# Allegro board pc065a_toplevel_58.brd (continued)
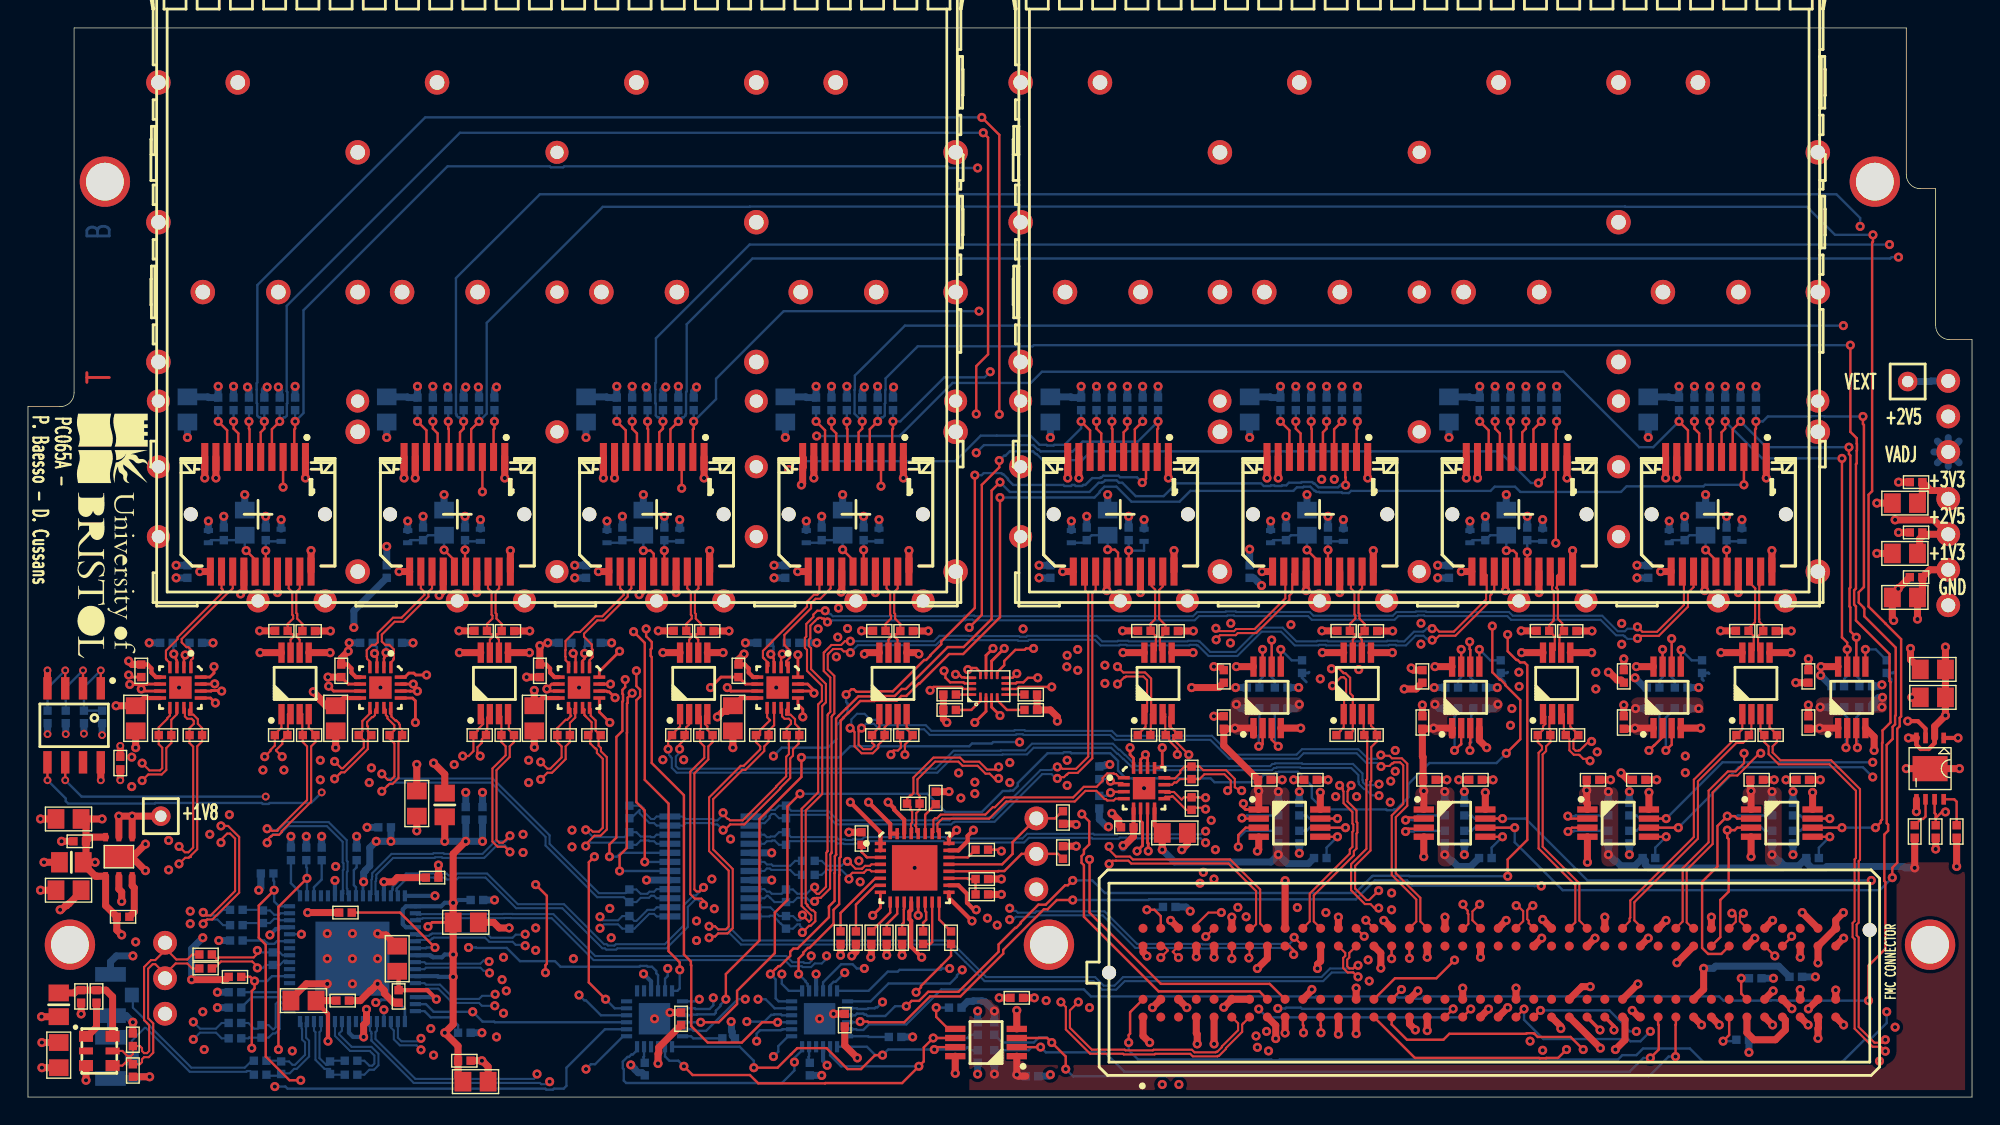
[diagram p0: board, top side]
## Nets (continued)
FMC_LA_N<19>: J10.H23 R197.2(B<0>) U9.2
FMC_LA_N<20>: J10.G22
FMC_LA_N<21>: J10.H26 R195.2(B<0>) U8.2
FMC_LA_N<22>: J10.G25
FMC_LA_N<23>: J10.D24
FMC_LA_N<24>: J10.H29 R193.2(B<0>) U7.2
FMC_LA_N<25>: J10.G28
FMC_LA_N<26>: J10.D27
FMC_LA_N<27>: IC21.8 J10.C27
FMC_LA_N<28>: IC5.9 J10.H32 R65.1
FMC_LA_N<29>: J10.G31
FMC_LA_N<30>: IC6.9 J10.H35 R69.1
FMC_LA_N<31>: IC16.2 J10.G34 R152.1
FMC_LA_N<32>: J10.H38
FMC_LA_N<33>: IC20.2 J10.G37 R172.1
FMC_LA_P<1>: IC21.7 J10.D8
FMC_LA_P<2>: J10.H7 R1.1 U3.1
FMC_LA_P<3>: IC4.10 J10.G9 R61.2(B<0>)
FMC_LA_P<4>: J10.H10 R187.1 U4.1
FMC_LA_P<5>: J10.D11
FMC_LA_P<6>: IC12.3 J10.C10 R136.1
FMC_LA_P<7>: J10.H13 R189.1 U5.1
FMC_LA_P<8>: IC7.10 J10.G12 R73.2(B<0>)
FMC_LA_P<9>: IC18.3 J10.D14 R161.1
FMC_LA_P<10>: IC15.3 J10.C14 R146.1
FMC_LA_P<11>: J10.H16 R191.1 U6.1
FMC_LA_P<12>: IC14.3 J10.G15 R141.1
FMC_LA_P<13>: J10.D17
FMC_LA_P<14>: IC17.3 J10.C18 R156.1
FMC_LA_P<15>: J10.H19 R199.1 U10.1
FMC_LA_P<16>: J10.G18
FMC_LA_P<17>: J10.D20
FMC_LA_P<18>: IC19.3 J10.C22 R166.1
FMC_LA_P<19>: J10.H22 R197.1 U9.1
FMC_LA_P<20>: J10.G21
FMC_LA_P<21>: J10.H25 R195.1 U8.1
FMC_LA_P<22>: J10.G24
FMC_LA_P<23>: J10.D23
FMC_LA_P<24>: J10.H28 R193.1 U7.1
FMC_LA_P<25>: J10.G27
FMC_LA_P<26>: J10.D26
FMC_LA_P<27>: IC21.6 J10.C26
FMC_LA_P<28>: IC5.10 J10.H31 R65.2(B<0>)
FMC_LA_P<29>: J10.G30
FMC_LA_P<30>: IC6.10 J10.H34 R69.2(B<0>)
FMC_LA_P<31>: IC16.3 J10.G33 R151.1
FMC_LA_P<32>: J10.H37
FMC_LA_P<33>: IC20.3 J10.G36 R171.1
GBTCLK0_M2C_N: J10.D5
GBTCLK0_M2C_P: J10.D4
I2C_SCL: IC1.6 IC3.16 IC9.20 IC10.19 IC11.7 IC23.19 J1.2 R7.2(B<0>) R94.1 R135.1
I2C_SCL_CVCC: IC11.2 J10.C30 R132.1
I2C_SDA: IC1.5 IC3.18 IC9.21 IC10.20(SDA) IC11.6 IC23.20(SDA) J1.3(A<2>) R8.2(B<0>) R93.1 R134.1
I2C_SDA_CVCC: IC11.3 J10.C31 R131.1
MOD_ABS: J7.6 R26.1
MOD_ABS_1: J12.6 R38.1
MOD_ABS_2: J16.6 R46.1
MOD_ABS_3: J20.6 R54.1
MOD_ABS_4: J24.6 R103.1
MOD_ABS_5: J28.6 R111.1
MOD_ABS_6: J32.6 R119.1
MOD_ABS_7: J36.6 R127.1
MUX_OUT_N: C55.1 IC8.19
MUX_OUT_P: C56.1 IC8.18
MUX_SEL<0>: IC8.6 IC21.15(1B<0>)
MUX_SEL<1>: IC8.7 IC21.14
MUX_SEL<2>: IC8.8 IC21.13
OSC_N: C30.2(B<0>) J5.3(A<2>) QZ1.5 R4.2(B<0>)
OSC_P: C29.2(B<0>) J5.2 QZ1.4(OUTP) R5.2(B<0>)
POWER_GOOD: J10.D1 R182.2(B<0>) U11.7
PRSNT_L: J10.H2 R30.2(B<0>)
RD_BUF_N<0>: IC4.4 J7.12
RD_BUF_N<1>: IC5.4 J12.12
RD_BUF_N<2>: IC6.4 J16.12
RD_BUF_N<3>: IC7.4 J20.12
RD_BUF_P<0>: IC4.1 J7.13
RD_BUF_P<1>: IC5.1 J12.13
RD_BUF_P<2>: IC6.1 J16.13
RD_BUF_P<3>: IC7.1 J20.13
RD_MUX_N<0>: IC4.11 IC8.2 R60.1 R74.2(B<0>)
RD_MUX_N<1>: IC5.11 IC8.4 R64.1 R75.2(B<0>)
RD_MUX_N<2>: IC6.11 IC8.10 R68.1 R76.2(B<0>)
RD_MUX_N<3>: IC7.11 IC8.12 R72.1 R77.2(B<0>)
RD_MUX_N<4>: IC8.13 J36.12 R78.2(B<0>)
RD_MUX_N<5>: IC8.15 J32.12 R79.2(B<0>)
RD_MUX_N<6>: IC8.21 J28.12 R80.2(B<0>)
RD_MUX_N<7>: IC8.23 J24.12 R81.2(B<0>)
RD_MUX_P<0>: IC4.12 IC8.1(PCLK<0>) R60.2(B<0>) R74.1
RD_MUX_P<1>: IC5.12 IC8.3 R64.2(B<0>) R75.1
RD_MUX_P<2>: IC6.12 IC8.9 R68.2(B<0>) R76.1
RD_MUX_P<3>: IC7.12 IC8.11 R72.2(B<0>) R77.1
RD_MUX_P<4>: IC8.14 J36.13 R78.1
RD_MUX_P<5>: IC8.16 J32.13 R79.1
RD_MUX_P<6>: IC8.22 J28.13 R80.1
RD_MUX_P<7>: IC8.24 J24.13 R81.1
REC_CLK_FPGA_N: IC13.11 J10.H5 R97.1
REC_CLK_FPGA_P: IC13.12 J10.H4 R97.2(B<0>)
RST_I2C_B: IC10.24 IC21.12 IC23.24
RST_I2C_B_CVCC: IC21.9 J10.D9
SFP_FAULT<0>: IC10.10 J7.2 R24.2(B<0>)
SFP_FAULT<1>: IC10.11 J12.2 R36.2(B<0>)
SFP_FAULT<2>: IC10.12 J16.2 R44.2(B<0>)
SFP_FAULT<3>: IC10.13 J20.2 R52.2(B<0>)
SFP_FAULT<4>: IC10.14 J36.2 R125.2(B<0>)
SFP_FAULT<5>: IC10.15 J32.2 R117.2(B<0>)
SFP_FAULT<6>: IC10.16 J28.2 R109.2(B<0>)
SFP_FAULT<7>: IC10.17 J24.2 R101.2(B<0>)
SFP_I2C_SCL<0>: IC12.7 J7.5 R27.1 R140.1
SFP_I2C_SCL<1>: IC14.7 J12.5 R39.1 R145.1
SFP_I2C_SCL<2>: IC15.7 J16.5 R47.1 R150.1
SFP_I2C_SCL<3>: IC16.7 J20.5 R55.1 R155.1
SFP_I2C_SCL<4>: IC17.7 J36.5 R128.1 R160.1
SFP_I2C_SCL<5>: IC18.7 J32.5 R120.1 R165.1
SFP_I2C_SCL<6>: IC19.7 J28.5 R112.1 R170.1
SFP_I2C_SCL<7>: IC20.7 J24.5 R104.1 R175.1
SFP_I2C_SDA<0>: IC12.6 J7.4 R28.1 R139.1
SFP_I2C_SDA<1>: IC14.6 J12.4 R40.1 R144.1
SFP_I2C_SDA<2>: IC15.6 J16.4 R48.1 R149.1
SFP_I2C_SDA<3>: IC16.6 J20.4 R56.1 R154.1
SFP_I2C_SDA<4>: IC17.6 J36.4 R129.1 R159.1
SFP_I2C_SDA<5>: IC18.6 J32.4 R121.1 R164.1
SFP_I2C_SDA<6>: IC19.6 J28.4 R113.1 R169.1
SFP_I2C_SDA<7>: IC20.6 J24.4 R105.1 R174.1
SFP_LOS<0>: IC23.10 J7.8 R25.2(B<0>)
SFP_LOS<1>: IC23.11 J12.8 R37.2(B<0>)
SFP_LOS<2>: IC23.12 J16.8 R45.2(B<0>)
SFP_LOS<3>: IC23.13 J20.8 R53.2(B<0>)
SFP_LOS<4>: IC23.14 J36.8 R126.2(B<0>)
SFP_LOS<5>: IC23.15 J32.8 R118.2(B<0>)
SFP_LOS<6>: IC23.16 J28.8 R110.2(B<0>)
SFP_LOS<7>: IC23.17 J24.8 R102.2(B<0>)
SFP_TD_N: J7.19 R23.1 U3.6
SFP_TD_N_1: J12.19 R35.1 U4.6
SFP_TD_N_2: J16.19 R43.1 U5.6
SFP_TD_N_3: J20.19 R51.1 U6.6
SFP_TD_N_4: J24.19 R100.1 U7.6
SFP_TD_N_5: J28.19 R108.1 U8.6
SFP_TD_N_6: J32.19 R116.1 U9.6
SFP_TD_N_7: J36.19 R124.1 U10.6
SFP_TD_P: J7.18 R22.1 U3.7(Q_P)
SFP_TD_P_1: J12.18 R34.1 U4.7(Q_P)
SFP_TD_P_2: J16.18 R42.1 U5.7(Q_P)
SFP_TD_P_3: J20.18 R50.1 U6.7(Q_P)
SFP_TD_P_4: J24.18 R99.1 U7.7(Q_P)
SFP_TD_P_5: J28.18 R107.1 U8.7(Q_P)
SFP_TD_P_6: J32.18 R115.1 U9.7(Q_P)
SFP_TD_P_7: J36.18 R123.1 U10.7(Q_P)
SFP_TX_DISABLE<0>: IC10.1 J7.3
SFP_TX_DISABLE<1>: IC10.2 J12.3
SFP_TX_DISABLE<2>: IC10.3 J16.3
SFP_TX_DISABLE<3>: IC10.4 J20.3
SFP_TX_DISABLE<4>: IC10.5 J36.3
SFP_TX_DISABLE<5>: IC10.6 J32.3
SFP_TX_DISABLE<6>: IC10.7 J28.3
SFP_TX_DISABLE<7>: IC10.8 J24.3
TCK: J10.D29
TDI: J10.D30
TDO: J10.D31
TMS: J10.D33
TRST_L: J10.D34
UNNAMED_1_CAPCERSMDCL2_I31_B: C34.2(B<0>) C35.2(B<0>) J7.15 L5.1
UNNAMED_1_CAPCERSMDCL2_I31_B_1: C43.2(B<0>) C44.2(B<0>) J12.15 L7.1
UNNAMED_1_CAPCERSMDCL2_I31_B_2: C48.2(B<0>) C49.2(B<0>) J16.15 L9.1
UNNAMED_1_CAPCERSMDCL2_I31_B_3: C53.2(B<0>) C54.2(B<0>) J20.15 L11.1
UNNAMED_1_CAPCERSMDCL2_I31_B_4: C62.2(B<0>) C63.2(B<0>) J24.15 L13.1
UNNAMED_1_CAPCERSMDCL2_I31_B_5: C67.2(B<0>) C68.2(B<0>) J28.15 L15.1
UNNAMED_1_CAPCERSMDCL2_I31_B_6: C72.2(B<0>) C73.2(B<0>) J32.15 L17.1
UNNAMED_1_CAPCERSMDCL2_I31_B_7: C77.2(B<0>) C78.2(B<0>) J36.15 L19.1
UNNAMED_1_CAPCERSMDCL2_I35_B: C33.2(B<0>) J7.16 L4.2(B<0>)
UNNAMED_1_CAPCERSMDCL2_I35_B_1: C42.2(B<0>) J12.16 L6.2(B<0>)
UNNAMED_1_CAPCERSMDCL2_I35_B_2: C47.2(B<0>) J16.16 L8.2(B<0>)
UNNAMED_1_CAPCERSMDCL2_I35_B_3: C52.2(B<0>) J20.16 L10.2(B<0>)
UNNAMED_1_CAPCERSMDCL2_I35_B_4: C61.2(B<0>) J24.16 L12.2(B<0>)
UNNAMED_1_CAPCERSMDCL2_I35_B_5: C66.2(B<0>) J28.16 L14.2(B<0>)
UNNAMED_1_CAPCERSMDCL2_I35_B_6: C71.2(B<0>) J32.16 L16.2(B<0>)
UNNAMED_1_CAPCERSMDCL2_I35_B_7: C76.2(B<0>) J36.16 L18.2(B<0>)
UNNAMED_1_CON20PSFP_I19_RATES_1: J12.7 R41.1
UNNAMED_1_CON20PSFP_I19_RATES_2: J16.7 R49.1
UNNAMED_1_CON20PSFP_I19_RATES_3: J20.7 R57.1
UNNAMED_1_CON20PSFP_I19_RATES_4: J24.7 R106.1
UNNAMED_1_CON20PSFP_I19_RATES_5: J28.7 R114.1
UNNAMED_1_CON20PSFP_I19_RATES_6: J32.7 R122.1
UNNAMED_1_CON20PSFP_I19_RATES_7: J36.7 R130.1
UNNAMED_1_CON20PSFP_I19_RATESEL: J7.7 R29.1
UNNAMED_1_RSMD0402_I7_B: IC11.5 R133.2(B<0>)
UNNAMED_1_RSMD0402_I7_B_1: IC12.5 R138.2(B<0>)
UNNAMED_1_RSMD0402_I7_B_2: IC14.5 R143.2(B<0>)
UNNAMED_1_RSMD0402_I7_B_3: IC15.5 R148.2(B<0>)
UNNAMED_1_RSMD0402_I7_B_4: IC16.5 R153.2(B<0>)
UNNAMED_1_RSMD0402_I7_B_5: IC17.5 R158.2(B<0>)
UNNAMED_1_RSMD0402_I7_B_6: IC18.5 R163.2(B<0>)
UNNAMED_1_RSMD0402_I7_B_7: IC19.5 R168.2(B<0>)
UNNAMED_1_RSMD0402_I7_B_8: IC20.5 R173.2(B<0>)
UNNAMED_1_RSMD0402_I10_B: IC4.3 R59.2(B<0>)
UNNAMED_1_RSMD0402_I10_B_1: IC5.3 R63.2(B<0>)
UNNAMED_1_RSMD0402_I10_B_2: IC6.3 R67.2(B<0>)
UNNAMED_1_RSMD0402_I10_B_3: IC7.3 R71.2(B<0>)
UNNAMED_1_RSMD0402_I10_B_4: IC13.3 R96.2(B<0>)
UNNAMED_1_RSMD0402_I11_B: IC4.2(VT) R58.2(B<0>)
UNNAMED_1_RSMD0402_I11_B_1: IC5.2(VT) R62.2(B<0>)
UNNAMED_1_RSMD0402_I11_B_2: IC6.2(VT) R66.2(B<0>)
UNNAMED_1_RSMD0402_I11_B_3: IC7.2(VT) R70.2(B<0>)
UNNAMED_1_RSMD0402_I11_B_4: IC13.2(VT) R95.2(B<0>)
UNNAMED_4_FMCLPCGENERIC_I1_GA0: J10.C34 R184.2(B<0>)
UNNAMED_4_FMCLPCGENERIC_I1_GA1: J10.D35 R185.2(B<0>)
UNNAMED_5_24AA025E48_I9_A0: IC1.1 R201.1 R202.1
UNNAMED_5_24AA025E48_I9_A1: IC1.2 R204.1
UNNAMED_5_24AA025E48_I9_A2: IC1.3 R203.1
UNNAMED_7_CAPCERSMDCL2_I28_B: C101.2(B<0>) U11.8
UNNAMED_7_CON3P_I14_A: J39.1 TP10.1(A<0>)
UNNAMED_7_MP20075REG_I17_REF: R183.2(B<0>) U11.6
UNNAMED_8_DSC1123CI5_I74_EN: QZ1.1 R3.2(B<0>)
UNNAMED_8_LP38692SD_I104_EN: R2.2(B<0>) U2.3
UNNAMED_8_RSMD0402_I25_B: IC3.3 R20.2(B<0>)
UNNAMED_8_RSMD0402_I26_B: IC3.4 R21.2(B<0>)
UNNAMED_8_RSMD0402_I28_B: IC3.48 R18.2(B<0>)
UNNAMED_8_RSMD0402_I29_B: IC3.25 R19.2(B<0>)
UNNAMED_8_RSMD0402_I30_B: IC3.39 R6.2(B<0>)
UNNAMED_8_RSMD0402_I66_B: IC3.11 R10.2(B<0>)
UNNAMED_8_RSMD0402_I67_B: IC3.17 R11.2(B<0>)
UNNAMED_8_RSMD0402_I68_B: IC3.19 R12.2(B<0>)
UNNAMED_10_ADN2814_I34_CF1: C58.1 IC9.15
UNNAMED_10_ADN2814_I34_CF2: C58.2(B<0>) IC9.14
UNNAMED_10_ADN2814_I34_LOL: IC9.16 R91.1
UNNAMED_10_ADN2814_I34_LOS: IC9.22 R89.2(B<0>)
UNNAMED_10_ADN2814_I34_REFCLKN: IC9.11 R85.2(B<0>)
UNNAMED_10_ADN2814_I34_REFCLKP: IC9.10 R84.2(B<0>)
UNNAMED_10_ADN2814_I34_SADDRS: IC9.19 R82.2(B<0>) R83.2(B<0>)
UNNAMED_10_ADN2814_I34_SLICEN: IC9.7 R87.2(B<0>)
UNNAMED_10_ADN2814_I34_SLICEP: IC9.6 R86.2(B<0>)
UNNAMED_10_ADN2814_I34_SQUELCH: IC9.27 R90.1
UNNAMED_10_ADN2814_I34_THRADJ: IC9.9 R88.2(B<0>)
UNNAMED_10_ADN2814_I34_VREF: C57.1 IC9.3(VREF)
UNNAMED_13_74AVC4T245BRIS_I75_1: IC21.4 R176.1
UNNAMED_13_74AVC4T245BRIS_I75_2: IC21.1 R177.2(B<0>)
UNNAMED_13_74AVC4T245BRIS_I76_1: IC21.16 R179.2(B<0>)
UNNAMED_13_74AVC4T245BRIS_I76_2: IC21.5 R178.1
UNNAMED_13_RSMD0402_I6_B: IC10.18 R31.2(B<0>)
UNNAMED_13_RSMD0402_I8_B: IC10.23 R32.2(B<0>)
UNNAMED_13_RSMD0402_I45_B: IC23.18 R180.2(B<0>)
UNNAMED_13_RSMD0402_I46_B: IC23.23 R181.2(B<0>)
VADJ: J10.G39 J10.H40 J39.3(A<2>)
VREF_A_M2C: J10.H1
XA: C29.1 IC3.8 R17.1
XB: C30.1 IC3.9(XB) R17.2(B<0>)

Pads without a net: IC1 7; IC3 5 7 10 20 21 55 56; IC10 22; IC23 6 7 8 22; NOREF#2 1; NOREF#3 1; NOREF#4 1; NOREF#5 1; NOREF#6 1; QZ1 2; SFP1 NC; SFP2 NC

## Via types
v1: diameter 0.56, hole 0.3, TOP to BOTTOM, 15 vias
v2: diameter 0.65, hole 0.3, TOP to BOTTOM, 1068 vias

## Routing (per net, layer and track width the routed paths; a pad name or vN(x,y) marks a point on that pad's centre or on a via; arc(x,y) is an arc through that point)
GND: length 1985.7
  TOP w0.2: IC5.14 27.33,29.05 27.34,29.04 v2(27.84,29.04) ; IC5.15 v2(27.55,29.55) ; IC4.15 13.33,29.55 ; IC6.6 37.45,29.55 v2(37.1,29.2) 37.25,29.05 IC6.7 ; IC4.6 8.52,29.55 8.49,29.52 v2(7.28,29.52) ; IC4.7 8.25,29.05 v2(8.1,29.2) ; v2(60.4,13) 60.95,13.55 IC9.8 ; v2(69.8,32.1) 68.9,31.2 IC21.10 ; IC4.14 13.09,29.05 13.13,29.09 13.57,29.09 13.61,29.05 v2(13.85,29.05) ; IC21.11 68.5,31.6 v2(69,32.1) ; C104.1 22.9,29.55 IC5.6 ; v2(80.1,17.6) 80.1,18.15 80.05,18.2 IC13.7 ; IC6.15 v2(41.65,29.55) ; IC13.15 79.55,24.15 v2(79.9,24.5) 80.05,24.35 IC13.14 ; v2(50,29.3) 50.25,29.05 IC7.7 ; v2(48.8,29.3) 49.55,30.05 C108.1 51.3,29.55 IC7.6 ; IC7.14 56.05,29.05 v2(56.2,28.9) 56.2,29.1 55.75,29.55 IC7.15 ; v2(21.5,29.4) 21.85,29.05 IC5.7 ; IC13.6 79.55,19.77 79.69,19.63 79.69,17.99 v2(79.3,17.6) ; IC9.13 v2(63.65,13) ; v2(41.98,28.58) 41.55,29 41.42,29 41.37,29.05 IC6.14 ; C102.1 7.35,30.05 v2(7.2,30.2)
  TOP w0.3: IC9.23 66.53,17.65 67.19,18.31 67.19,18.69 v2(67.6,19.1) ; IC9.17 65.85,14.25 v2(67.5,12.6) ; v2(134.4,26.9) 135.13,26.9 135.68,26.35 U11.3 ; IC9.30 62.65,19.85 61.93,20.57 61.93,20.67 v2(61.5,21.1)
  TOP w0.5: J36.17 v2(79.54,36.1) ; C85.1 v2(113.15,22.7) ; 83.53,5.73 83.53,4.57 83.6,4.5 v2(83.6,3.8) ; J10.C36 v2(124.74,5.16) ; J12.17 v2(32.09,36.1) ; R85.1 v2(62.5,10.15) ; C86.1 v2(116.45,22.7) ; C94.1 v2(114.1,31.35) ; J32.11 v2(88.24,37.6) ; J16.20 v2(48.74,39.1) ; 81,7 v2(80.4,6.4) ; J10.G29 v2(115.85,11.37) ; C39.1 v2(132.2,38.9) ; J16.10 v2(41.14,44.3) ; J20.14 58.19,36.18 v2(58.14,36.13) ; v2(85.5,6.42) 86.08,7 J10.D7 ; R87.1 59.2,10.4 v2(58.9,10.1) ; 96.23,10.8 96.73,10.31 v2(96.73,9.23) ; J10.G40 v2(129.82,11.37) ; J20.10 55.39,45.75 55.44,45.7 55.44,45.1 55.39,45.05 55.39,43.89 v2(55.3,43.8) ; J12.9 v2(27.69,44.3) ; C92.1 99.05,30.55 v2(98.9,30.7) ; J10.C38 v2(127.28,5.16) ; 110.2,7 111.11,7.9 v2(111.7,7.9) ; J16.9 v2(41.94,44.3) ; v2(60.26,10.01) 60.3,10.05 R88.1 ; v2(89.22,4.18) 89.22,5.12 88.61,5.73 ; C107.1 36.2,25.03 v2(36.21,25.03) ; J36.11 v2(73.99,37.6) ; J16.1 v2(48.34,44.3) ; J20.17 v2(60.59,36.1) ; J16.14 43.94,36.19 v2(43.7,35.95) ; 100.05,10.8 v2(100.05,10.01) ; C2.1 v2(132.2,42.5) ; v2(134.6,32.1) 134.6,31.3 C100.1 ; J24.9 v2(117.89,44.3) ; C95.1 v2(127.3,28.05) ; v2(91.8,7.7) 91.8,7.64 J10.D10 ; v2(65.7,26.8) 65.45,27.05 R177.1 R179.1 ; C104.1 v2(21.45,30.05) ; 13.33,29.55 v2(13.35,29.57) ; C16.1 25.6,11.6 25.1,11.6 v2(25,11.7) ; v2(82.5,17.7) 82.9,18.1 C111.1 ; 112.75,12.08 v2(112.75,12.88) ; v2(87.9,9.2) 88.61,9.92 88.61,10.8 ; U2.2 6.5,14.88 6.7,14.68 v2(6.7,14) ; C90.1 85.25,30.8 v2(84.79,30.8) ; IC15.4 v2(111.5,16.8) ; v2(21.4,8.1) 19.9,8.1 18.8,7 C19.1 ; v2(29.4,35.9) 29.69,36.19 J12.14 ; C20.1 23.76,6.9 24.46,7.6 24.5,7.6 v2(25,8.1) 25.48,7.62 25.48,7.42 26.15,6.75 C18.1 ; J36.14 v2(77.14,36.24) ; C105.1 v2(22,25) ; J32.1 v2(95.79,44.3) ; J12.10 v2(26.89,44.3) ; C80.1 v2(71.95,7.1) ; C99.1 v2(134.7,28.6) ; J10.H15 v2(96.94,12.64) ; J12.1 v2(34.09,44.3) ; C106.1 v2(35.65,30.05) ; U5.5 v2(49.7,31.8) ; J10.G38 v2(126.72,10.01) ; U7.5 v2(126.05,31.8) ; 98.78,7 v2(99.38,7.6) ; v2(8.4,16.2) 7.5,17.1 7.5,17.2 ; J24.14 v2(119.89,36.24) ; C81.1 v2(89.68,22.7) ; J16.17 v2(46.34,36.1) ; 120.36,12.08 v2(120.36,12.88) ; v2(132,24.8) 132,25.77 IC20.4 ; J20.9 v2(56.19,44.3) ; C7.1 v2(29.35,16.6) ; J24.11 v2(116.74,37.6) ; v2(134.3,23.5) U11.9 v2(138.1,23.5) ; IC11.4 v2(70.7,6.2) ; J24.17 v2(122.29,36.1) ; C4.1 3.8,14.7 2.93,13.83 2.91,13.83 2.77,13.69 2.69,13.69 2.4,13.4 v2(2.3,13.4) ; C38.1 v2(133.75,40.4) ; J16.11 v2(40.79,37.6) ; J24.10 v2(117.09,44.3) ; C112.2 v1(6.6,25.13) ; J10.G32 v2(117.9,9.61) ; 127.98,12.08 v2(126.86,13.2) ; C37.1 133.3,34.2 v2(133.4,34.1) ; C89.1 v2(84.79,27.25) ; C57.2 v2(58.7,18.95) ; J24.20 v2(124.69,39.1) ; J7.1 v2(19.84,44.3) ; C87.1 v2(124.85,22.7) ; 7.5,17.2 v2(8.4,18.1) ; 7.5,17.2 U2.7 ; C10.1 v2(3.8,5.95) ; C98.1 v2(45.9,6.05) ; 105.12,12.08 v2(105.69,12.64) ; 100.05,5.73 v2(100.05,4.76) ; J36.9 v2(75.14,44.3) ; J36.1 v2(81.54,44.3) ; 98.78,5.73 98.78,5.23 v2(99.2,4.8) ; 79.72,10.8 79.72,10.38 80,10.1 80,10.09 v2(80.01,10.09) ; J10.C24 109.6,5.06 v2(109.6,4.9) ; J10.H12 v2(93.69,12.88) ; v2(34.4,12.1) 33.7,12.1 33.3,12.5 C12.1 ; IC12.4 88,17.7 v2(87.9,17.6) ; R5.1 v2(8.7,1.45) ; J7.14 15.44,36.24 v2(15.2,36) ; U6.5 63.6,31.8 v2(63.7,31.7) ; 103.86,5.73 v2(104.43,6.3) ; 110.28,31.8 v2(111.8,31.8) ; IC4.17 v2(10.8,29.3) ; 94.97,5.73 v2(94.97,4.54) ; J32.20 v2(96.19,39.1) ; IC14.4 v2(99.8,17.2) ; C84.1 v2(104.75,22.7) ; J28.9 v2(103.64,44.3) ; C8.1 v2(0.9,19.9) ; C83.1 v2(101.45,22.7) ; IC7.17 v2(53.5,29.3) ; v2(92.2,9.2) 92.2,9.5 92.42,9.72 92.42,10.8 ; J32.14 v2(91.39,36.24) ; QZ1.3 v2(4.15,1.2) ; 114.02,7 v2(115.11,8.09) ; J10.D13 v2(94.97,7.79) ; 103.86,10.8 v2(103.86,10.01) ; J7.9 v2(13.44,44.3) ; C36.1 v2(133.72,36.38) ; 124.17,12.08 v2(124.74,12.64) ; IC19.4 v2(119.6,26.4) ; C3.1 v2(27.8,19.05) ; U9.5 v2(97.55,31.8) ; J7.10 v2(12.64,44.3) ; J36.10 v2(74.34,44.3) ; J28.10 v2(102.84,44.3) ; R86.1 v2(58.1,10.15) ; 34.33,31.8 v2(35.85,31.8) ; C97.1 v2(57.6,5.95) ; J10.C21 v2(105.8,6.4) ; 1.4,29.25 v1(1.4,30.53) ; J10.G26 v2(112.04,11.37) ; 83.53,10.8 v2(83.53,10.04) ; 89.58,26.4 v2(91,26.4) ; J12.11 v2(26.54,37.6) ; IC16.4 v2(123.2,17.2) ; C1.1 v2(133.75,44) ; J7.11 v2(12.29,37.6) ; 84.81,5.73 v2(84.81,3.8) ; 79.72,5.73 79.72,4.38 v2(80.2,3.9) ; v2(113.5,3.4) 114.19,4.09 114.19,5.55 J10.C28 ; 106.39,7 v2(106.39,7.79) ; J10.C25 v2(112.43,3.5) ; J28.17 v2(108.04,36.1) ; J24.1 v2(124.29,44.3) ; C109.1 v2(50.4,25) ; v2(105.64,36.24) J28.14 ; C101.1 v2(137.9,16.5) ; 84.81,10.8 v2(84.81,10.01) ; J12.20 v2(34.49,39.1) ; J20.11 v2(55.04,37.6) ; J10.G23 v2(108.23,11.37) ; 108.94,12.08 v2(108.3,12.71) ; 81.78,31.8 v2(83.3,31.8) ; 116.56,12.08 v2(117.12,12.64) ; J28.20 v2(110.44,39.1) ; C17.1 32.9,2.18 32.48,2.6 v2(32.45,2.6) C15.1 ; J10.D19 v2(102.58,7.79) ; J10.C40 v2(129.82,5.16) ; C88.1 v2(128.15,22.7) ; J28.1 v2(110.04,44.3) ; 125.44,7 v2(126.12,6.32) ; J10.G35 v2(123.47,11.37) ; 127.98,7 v2(127.3,6.31) ; C93.1 v2(114.1,28.05) ; 86.08,12.08 v2(86.08,12.88) ; U3.5 v2(21.6,31.8) ; C91.1 v2(99.7,28.05) ; C6.1 v2(1,2.1) ; J10.C33 v2(120.93,5.16) ; J10.D3 v2(82.86,6.4) ; v2(65.86,21.86) 65.85,21.85 R90.2 ; C103.1 v2(7.7,25) ; J32.9 v2(89.39,44.3) ; 89.89,5.73 v2(89.89,4.58) ; J10.C32 v2(119.66,5.16) ; v2(104.3,25) 103.78,25.52 103.78,26.4 ; C5.1 v2(2.4,18.3) ; C110.1 78,19.45 78,19.8 v2(77.5,20.3) ; C96.1 v2(127.3,31.35) ; 93.69,5.73 v2(93.69,4.5) ; J10.H9 v2(89.89,15.48) ; J36.20 v2(81.94,39.1) ; J10.C29 115.17,5.73 v2(114.7,6.2) ; J28.11 v2(102.49,37.6) ; J32.17 v2(93.79,36.1) ; J7.20 v2(20.24,39.1) ; J32.10 v2(88.59,44.3) ; C82.1 v2(92.95,22.7) ; J10.H3 v2(81.7,12.64) ; J20.1 v2(62.59,44.3) ; J10.H18 v2(101.31,12.88) ; J7.17 v2(17.84,36.1) ; R83.1 v2(69.6,14.5) ; R4.1 v2(7.5,5.35) ; J20.20 v2(62.99,39.1)